# Allegro board LAY-27392_C.brd (continued)
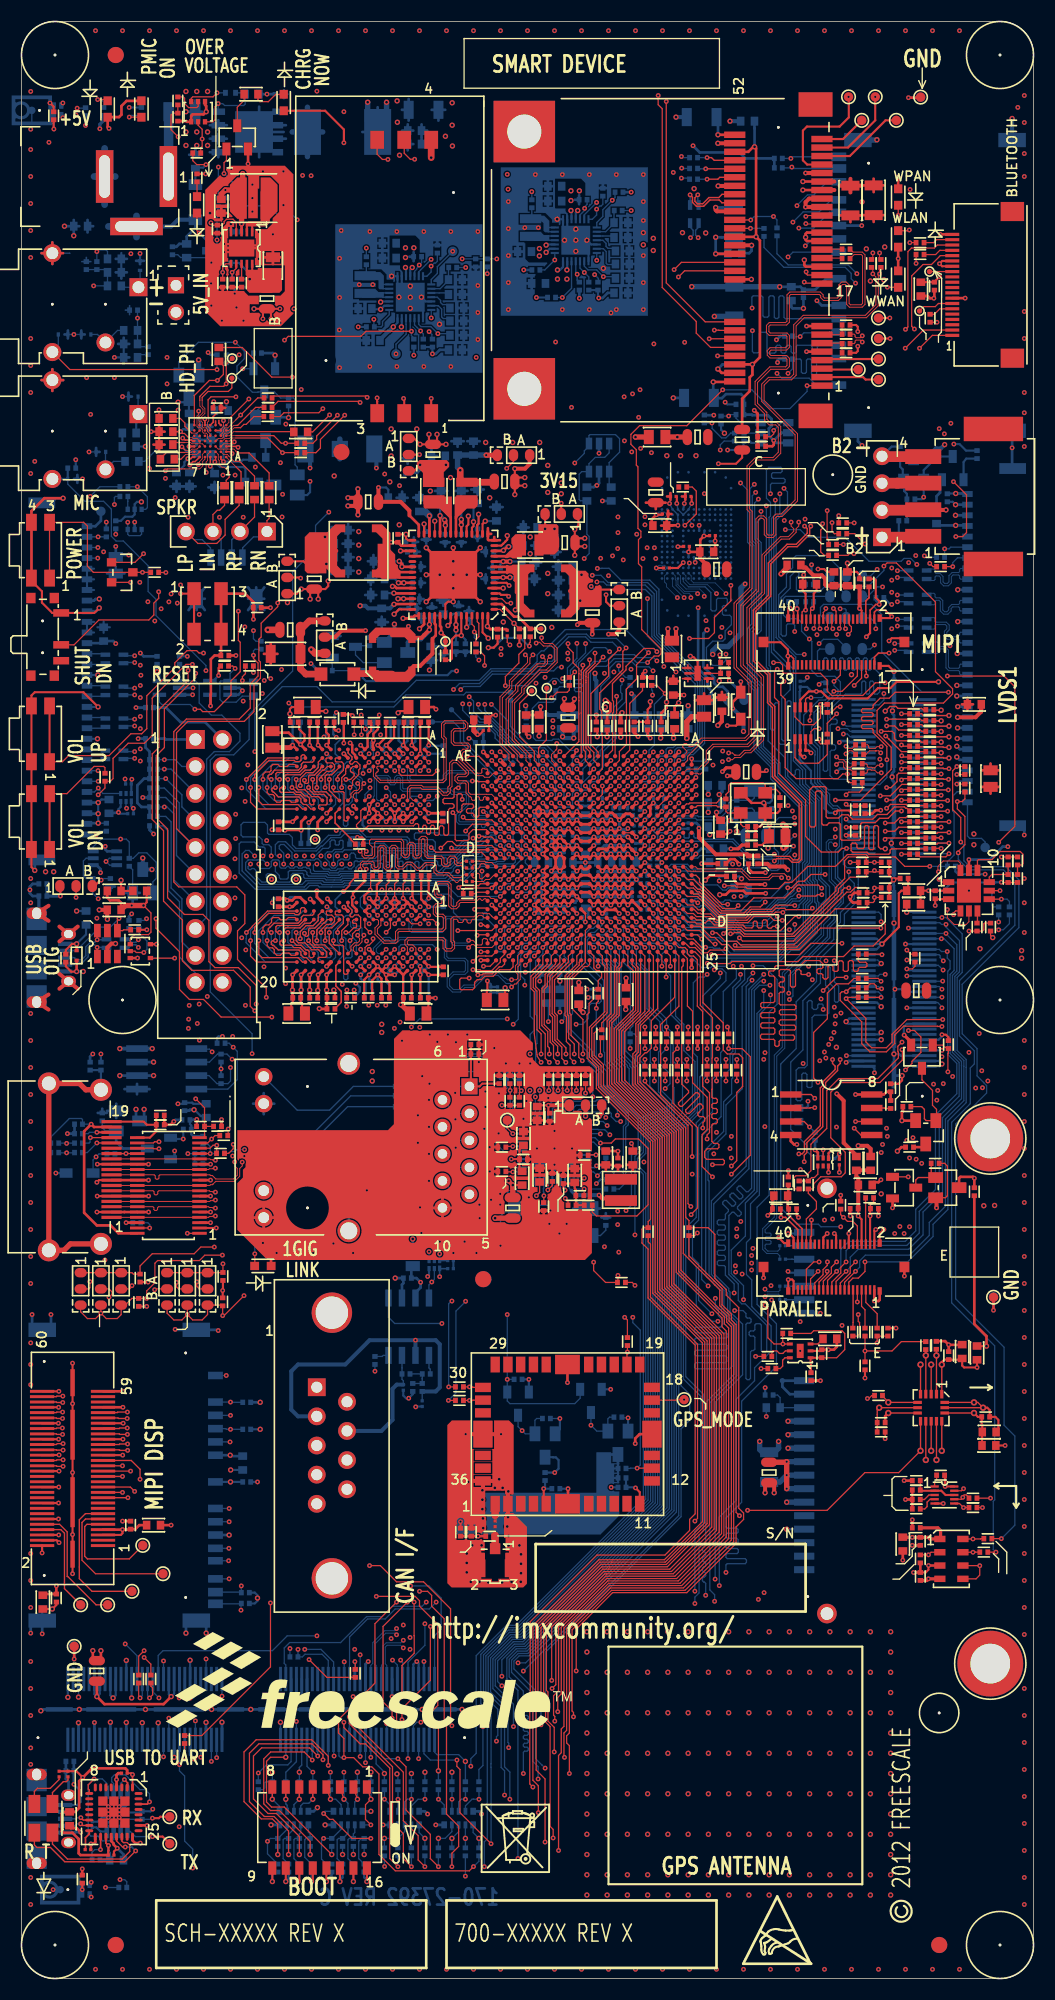
[diagram p0: board, top side]
## Placement (name value [footprint] x y rotation side) (continued)
C577  22UF  [0603_CC]  30.1 132.46 0 bottom
C578  4.7uF  [0603_CC]  47.62 131.7 0 bottom
C579  0.1UF  [0402_CC]  44.07 131.7 180 bottom
C580  4.7uF  [0603_CC]  33.53 131.7 180 bottom
C581  22UF  [0603_CC]  51.18 131.57 180 bottom
C582  0.1UF  [0402_CC]  37.21 131.32 0 bottom
C583  22UF  [0603_CC]  51.18 130.18 180 bottom
C584  4.7uF  [0603_CC]  33.53 130.18 180 bottom
C585  0.1UF  [0402_CC]  80.77 129.92 0 bottom
C586  0.47uF  [0402_CC]  37.08 129.79 0 bottom
C587  0.1UF  [0402_CC]  74.17 129.54 0 bottom
C588  0.1UF  [0402_CC]  72.57 129.54 180 bottom
C589  10uF  [0603_CC]  39.7 129.03 90 bottom
C590  0.1UF  [0402_CC]  36.83 128.91 0 bottom
C591  22UF  [0603_CC]  51.18 128.78 180 bottom
C592  1.0UF  [0402_CC]  41.15 128.78 90 bottom
C593  0.1UF  [0402_CC]  38.63 128.63 90 bottom
C594  0.22UF  [0402_CC]  42.12 128.27 90 bottom
C595  4.7uF  [0603_CC]  33.91 128.27 270 bottom
C596  0.47uF  [0402_CC]  37.26 127.98 0 bottom
C597  0.1UF  [0402_CC]  19.15 124.49 0 top
C598  4.7uF  [0603_CC]  7.75 126.49 270 bottom
C599  1.0UF  [0402_CC]  40.89 125.22 270 bottom
C600  1.0UF  [0402_CC]  41.78 125.22 270 bottom
C601  10uF  [0603_CC]  38.53 124.69 270 bottom
C602  0.22UF  [0201_CC]  73.28 121.79 90 bottom
C603  0.1UF  [0402_CC]  12.78 124.03 90 bottom
C604  22UF  [0603_CC]  48.77 118.29 90 bottom
C605  22UF  [0603_CC]  62.74 118.24 90 bottom
C606  4.7UF  [0603_CC]  61.47 118.24 90 bottom
C607  4.7UF  [0603_CC]  60.2 118.24 90 bottom
C608  4.7UF  [0603_CC]  58.93 118.24 90 bottom
C609  4.7UF  [0603_CC]  57.66 118.24 90 bottom
C610  4.7UF  [0603_CC]  55.12 118.24 90 bottom
C611  22UF  [0603_CC]  52.07 118.24 90 bottom
C612  22UF  [0603_CC]  50.8 118.24 90 bottom
C613  0.22UF  [0402_CC]  27.51 118.21 180 bottom
C614  0.22UF  [0402_CC]  25.9 118.21 180 bottom
C615  0.22UF  [0402_CC]  36.7 118.21 0 bottom
C616  0.22UF  [0402_CC]  35.13 118.21 180 bottom
C617  0.22UF  [0402_CC]  32.79 118.21 0 bottom
C618  0.22UF  [0402_CC]  29.08 118.21 0 bottom
C619  0.22UF  [0201_CC]  43.46 117.32 270 bottom
C620  0.22UF  [0402_CC]  39.7 115.62 90 bottom
C621  0.1UF  [0402_CC]  45.95 114.63 315 bottom
C622  0.22UF  [0201_CC]  10.08 112.39 180 bottom
C623  22UF  [0603_CC]  65.28 112.27 0 bottom
C624  18PF  [0402_CC]  70.61 111.63 270 bottom
C625  0.22UF  [0201_CC]  54.67 111.38 90 bottom
C626  0.22UF  [0201_CC]  59.21 110.97 10 bottom
C627  10UF  [0603_CC]  65.28 110.62 0 bottom
C628  0.22UF  [0201_CC]  60.45 110.62 90 bottom
C629  0.22UF  [0201_CC]  53.37 110.59 270 bottom
C630  0.22UF  [0201_CC]  52.76 110.59 270 bottom
C631  2.2uF  [0603_CC]  8.25 110.29 270 bottom
C632  0.22UF  [0201_CC]  49.4 110.11 285 bottom
C633  0.22UF  [0201_CC]  59.77 109.82 90 bottom
C634  0.22UF  [0201_CC]  59.21 109.82 90 bottom
C635  0.22UF  [0201_CC]  57.59 109.79 270 bottom
C636  0.22UF  [0201_CC]  57.02 109.79 270 bottom
C637  0.22UF  [0201_CC]  56.31 109.79 270 bottom
C638  0.22UF  [0201_CC]  55.68 109.79 270 bottom
C639  18PF  [0402_CC]  70.61 109.73 90 bottom
C640  0.22UF  [0201_CC]  58.15 109.66 270 bottom
C641  0.22UF  [0201_CC]  10.29 109.6 180 bottom
C642  0.22UF  [0201_CC]  60.67 109.41 70 bottom
C643  0.22UF  [0201_CC]  55.07 109.41 90 bottom
C644  0.22UF  [0201_CC]  51.87 109.41 90 bottom
C645  0.22UF  [0201_CC]  51.07 109.41 90 bottom
C646  0.22UF  [0201_CC]  50.27 109.41 90 bottom
C647  0.22UF  [0402_CC]  39.66 109.19 270 bottom
C648  0.22UF  [0201_CC]  67.31 108.84 90 bottom
C649  22UF  [0603_CC]  53.07 108.83 270 bottom
C650  0.22UF  [0201_CC]  48.67 108.61 180 bottom
C651  0.22UF  [0201_CC]  62.74 108.46 270 bottom
C652  0.22UF  [0201_CC]  57.91 108.46 0 bottom
C653  0.22UF  [0402_CC]  24.2 108.46 90 bottom
C654  22UF  [0603_CC]  65.28 108.38 0 bottom
C655  0.01UF  [0201_CC]  57.89 107.91 0 bottom
C656  0.22UF  [0201_CC]  50.27 107.84 270 bottom
C657  0.22UF  [0201_CC]  58.96 107.81 90 bottom
C658  0.22UF  [0201_CC]  56.67 107.81 90 bottom
C659  0.22UF  [0201_CC]  55.87 107.81 90 bottom
C660  0.22UF  [0201_CC]  55.07 107.81 90 bottom
C661  0.22UF  [0201_CC]  51.07 107.81 270 bottom
C662  0.22UF  [0201_CC]  48.67 107.81 180 bottom
C663  0.22UF  [0201_CC]  51.84 107.24 270 bottom
C664  0.22UF  [0201_CC]  49.66 107.01 0 bottom
C665  0.22UF  [0201_CC]  48.57 107.01 180 bottom
C666  0.22UF  [0402_CC]  26.68 106.81 0 bottom
C667  0.22UF  [0201_CC]  54.36 106.59 270 bottom
C668  0.22UF  [0201_CC]  57.78 106.55 270 bottom
C669  22UF  [0603_CC]  53.07 106.44 270 bottom
C670  0.22UF  [0201_CC]  56.67 106.36 90 bottom
C671  0.22UF  [0201_CC]  55.87 106.36 90 bottom
C672  0.22UF  [0201_CC]  55.07 106.36 90 bottom
C673  4.7UF  [0603_CC]  65.41 106.3 180 bottom
C674  0.22UF  [0201_CC]  51.07 106.21 90 bottom
C675  0.22UF  [0201_CC]  48.67 106.21 180 bottom
C676  0.22UF  [0201_CC]  50.27 106.18 90 bottom
C677  0.22UF  [0201_CC]  51.87 106.13 90 bottom
C678  0.22UF  [0201_CC]  59.49 105.28 0 bottom
C679  22UF  [0603_CC]  54.89 105.04 180 bottom
C680  22UF  [0603_CC]  57.21 105.03 0 bottom
C681  4.7UF  [0603_CC]  65.41 105.03 0 bottom
C682  22UF  [0603_CC]  51.26 105.01 0 bottom
C683  22UF  [0603_CC]  48.95 105.01 180 bottom
C684  0.22UF  [0201_CC]  59.49 104.75 0 bottom
C685  0.22UF  [0201_CC]  57.47 103.89 270 bottom
C686  0.22UF  [0201_CC]  56.67 103.89 270 bottom
C687  0.22UF  [0201_CC]  55.87 103.89 270 bottom
C688  0.22UF  [0201_CC]  55.07 103.89 270 bottom
C689  0.22UF  [0201_CC]  54.27 103.89 270 bottom
C690  0.22UF  [0201_CC]  51.87 103.81 270 bottom
C691  0.22UF  [0201_CC]  51.07 103.81 270 bottom
C692  0.22UF  [0201_CC]  50.27 103.81 270 bottom
C693  0.22UF  [0201_CC]  58.61 103.71 180 bottom
C694  22UF  [0603_CC]  53.07 103.64 90 bottom
C695  0.22UF  [0201_CC]  58.61 103.1 180 bottom
C696  0.22UF  [0201_CC]  48.67 103.01 180 bottom
C697  0.1UF  [0402_CC]  2.03 103 0 bottom
C698  0.22UF  [0201_CC]  57.47 102.8 90 bottom
C701  0.22UF  [0201_CC]  56.67 102.8 90 bottom
C702  0.22UF  [0201_CC]  55.87 102.8 90 bottom
C703  0.22UF  [0201_CC]  55.07 102.8 90 bottom
C704  0.22UF  [0201_CC]  54.27 102.8 90 bottom
C705  0.22UF  [0201_CC]  51.87 102.21 270 bottom
C706  0.22UF  [0201_CC]  51.07 102.21 270 bottom
C707  0.22UF  [0201_CC]  50.27 102.21 270 bottom
C708  0.22UF  [0201_CC]  48.67 102.21 180 bottom
C709  0.22UF  [0201_CC]  58.12 101.55 270 bottom
C710  0.22UF  [0201_CC]  57.47 101.54 270 bottom
C711  0.22UF  [0201_CC]  56.67 101.54 270 bottom
C712  0.22UF  [0201_CC]  55.87 101.54 270 bottom
C713  0.22UF  [0201_CC]  55.07 101.54 270 bottom
C714  0.22UF  [0201_CC]  54.27 101.54 270 bottom
C715  0.22UF  [0201_CC]  48.67 101.41 180 bottom
C716  22UF  [0603_CC]  53.07 101.36 270 bottom
C717  0.22UF  [0402_CC]  24.2 101.23 270 bottom
C718  0.22UF  [0402_CC]  39.7 101.22 90 bottom
C719  0.22UF  [0201_CC]  52.1 100.99 90 bottom
C720  0.22UF  [0201_CC]  51.07 100.61 270 bottom
C721  0.22UF  [0201_CC]  50.27 100.61 270 bottom
C722  0.22UF  [0201_CC]  49.47 100.61 270 bottom
C723  0.22UF  [0201_CC]  58.62 100.53 180 bottom
C724  0.22UF  [0201_CC]  55.07 100.44 90 bottom
C725  0.22UF  [0201_CC]  53.06 99.91 0 bottom
C726  1.0UF  [0402_CC]  49.78 94.87 90 bottom
C727  0.22UF  [0201_CC]  44.81 93.04 270 bottom
C728  0.22UF  [0201_CC]  44.17 93.04 270 bottom
C729  22UF  [0603_CC]  50.67 92.43 270 bottom
C730  22UF  [0603_CC]  52.45 92.33 270 bottom
C731  0.22UF  [0402_CC]  37.92 92.28 0 bottom
C732  0.22UF  [0402_CC]  36.32 92.28 0 bottom
C733  0.22UF  [0402_CC]  34.28 92.28 0 bottom
C734  0.22UF  [0402_CC]  32.65 92.28 0 bottom
C735  0.22UF  [0402_CC]  27.51 92.28 180 bottom
C736  0.22UF  [0402_CC]  25.91 92.28 180 bottom
C737  0.22UF  [0402_CC]  30.99 92.25 180 bottom
C738  0.1UF  [0402_CC]  6.48 85.85 270 bottom
C739  470PF  [0402_CC]  45.63 85.01 90 bottom
C740  470PF  [0402_CC]  46.86 84.96 90 bottom
C741  470PF  [0402_CC]  47.88 84.84 90 bottom
C742  0.1UF  [0402_CC]  15.37 82.04 90 bottom
C743  4.7uF  [0603_CC]  17.4 81.66 90 bottom
C744  0.1UF  [0402_CC]  15.49 80.8 180 bottom
C745  0.1UF  [0402_CC]  5.38 80.39 180 bottom
C746  0.22UF  [0201_CC]  76.28 77.17 0 bottom
C747  0.1UF  [0402_CC]  31.5 74.17 180 bottom
C748  22PF  [0402_CC]  54.99 71.25 90 bottom
C749  0.1UF  [0402_CC]  10.87 71.12 180 bottom
C750  22PF  [0402_CC]  45.08 69.98 270 bottom
C751  0.01UF  [0201_CC]  71.63 68.96 0 bottom
C752  0.01UF  [0201_CC]  71.63 67.69 0 bottom
C753  0.22UF  [0201_CC]  40.39 67.56 0 bottom
C754  0.22UF  [0201_CC]  40.39 66.8 0 bottom
C755  0.1UF  [0402_CC]  36.32 65.91 180 bottom
C756  0.01UF  [0201_CC]  71.63 65.15 0 bottom
C757  0.01UF  [0201_CC]  71.63 63.88 0 bottom
C758  1000PF  [0402_CC]  36.83 55.63 270 bottom
C759  56PF  [0201_CC]  35.94 55.63 270 bottom
C760  56PF  [0201_CC]  37.72 54.1 270 bottom
C761  10UF  [0603_CC]  20.83 48.51 90 bottom
C762  47uF  [1206_CC]  70.36 48.13 90 bottom
C763  0.1UF  [0402_CC]  21.21 46.74 0 bottom
C764  0.1UF  [0402_CC]  56.52 46.23 180 bottom
C765  0.1UF  [0402_CC]  50.29 46.1 0 bottom
C766  0.1UF  [0402_CC]  4.57 20.45 0 bottom
C767  0.22UF  [0201_CC]  6.68 14.51 90 bottom
C768  4.7uF  [0603_CC]  8.97 11.16 0 bottom
C769  47uF  [1206_CC]  67.08 157.78 270 bottom
CON1  CON 6 SIM CARD  [CON_SIM_CD_2P54MM]  34.67 161.85 270 top
CON2  CON_1X4  [CON_TB_4F_2P5_9X10P5]  89.15 139.45 90 top
CON3  HDR 1X4  [HDR104]  80.98 135.61 180 top
CON4  HDR 1X4  [HDR104]  23.11 136.14 270 top
CON500  SM04B-SRSS-TB  [CON_4M_1MM_SM_RA]  19.3 131.07 180 bottom
D1  LED_GREEN  [LED_0603]  8.13 175.9 270 top
D2  LED_GREEN  [LED_0603]  11.3 175.9 90 top
D3  RED  [LED_0603]  24.69 176.5 90 top
D4  BAT54CLT1  [SOT23_A]  9.5 132.31 270 top
D5  RED  [LED_0603]  16.54 166.88 270 top
D6  LED_YELLOW  [LED_0603]  82.5 167.61 270 top
D7  LED_GREEN  [LED_0603]  82.5 163.68 90 top
D8  LED_ORANGE  [LED_0603]  82.5 159.89 270 top
D9  MBR140SFT  [SOD123LF]  29.74 122.73 0 top
D10  NSR0320  [SOD323]  67.69 119.76 180 top
D11  LED_ORANGE  [LED_0603]  22.73 67.06 0 top
D12  LED_RED-GRN  [LED_DUAL_3025MM_SM]  2.09 15.09 270 top
D500  RB521CS-30  [DO_VMN2]  19.69 177.42 180 bottom
D501  ESD9L5.0ST5G  [SOD-923]  24.26 177.29 0 bottom
D502  SMLJ60S6  [DO214AB_SM]  30.23 173.74 270 bottom
D503  MMSZ5231BT1G  [SOD123]  16.38 167.13 270 bottom
D504  BAT54HT1  [SOD323]  5.49 75.79 270 bottom
F500  5A/32V  [FUSE_3P4X1P8]  15.11 175.64 0 bottom
J1  CON 2X26 MINI PCI EXPRESS  [CON_2X26_0P8_SMT_A]  71.22 161.67 270 top
J2  Audio Jack  [CON5_AUD_JACK_RA_TH_SJ-43514]  11.02 159.13 0 top
J4  Audio Jack  [CON5_AUD_JACK_RA_TH_SJ-43514]  11.02 147.19 0 top
J5  CONN  PLUG 40  [CON_BBC_40P_0P4_SM]  76.45 125.76 270 top
J6  HDR_2X10  [HDR_20M_100_TH]  16.38 116.59 0 top
J7  V890-1AX1-A1  [CON_RJ45_2X5_TH]  42.16 83.95 270 top
J8  10029449-001RLF  [CON_HDMI_19F_20_SM_RA]  3.57 76.38 270 top
J9  CONN  PLUG 40  [CON_BBC_40P_0P4_SM]  76.45 66.95 270 top
J10  DB9  [CON_DB_9F_2P74_TH]  27.8 55.65 180 top
J11  QSH-030-01-L-D-A-K-TR  [CON_60S_QSH_SM_A]  4.83 48.01 90 top
J12  128-0711-20  [CON3_VER_SMT]  44.58 38.93 90 top
J13  CON FPC/FFC 20  [CON20_FH28_SM]  91.19 159.35 90 top
J500  CONN CRD 19  [CON19_SDCARD_28X16_SM]  85.96 159.3 270 bottom
J501  HDR 1X2 TH  [HDR102]  14.55 159.31 180 bottom
J502  CON 30  [CON_DF_30F_1MM_SM_RA]  91.51 125.27 270 bottom
J503  CON 30  [CON_DF_30F_1MM_SM_RA]  3.68 122.05 90 bottom
J504  QSH-060-01-L-D-A  [CON_120S_QSH_SM_05PITCH]  82.1 103.09 90 bottom
J505  MICRO USB AB 5  [CON5_MICROUSB]  1.45 96.06 90 bottom
J506  10029364-001LF  [CON_SATA_22F_50_SM_RA_A]  78.99 54.36 90 bottom
J507  CONN CRD 19  [CON19_SDCARD_28X16_SM]  9.22 47.37 90 bottom
J508  QSH-060-01-L-D-A  [CON_120S_QSH_SM_05PITCH]  21.63 25.34 0 bottom
J509  MICRO USB AB 5  [CON5_MICROUSB]  1.45 15.04 90 bottom
L1  1.2uH  [IND_VLCF4018]  21.87 167.51 0 top
L2  1UH  [IND_VLS252010]  38.82 139.96 90 top
L3  1UH  [IND_VLS252010]  41.92 139.96 90 top
L4  100 OHM@100MHZ  [0603_CC]  19.13 139.8 270 top
L5  100 OHM@100MHZ  [0603_CC]  20.5 139.8 270 top
L6  100 OHM@100MHZ  [0603_CC]  21.95 139.8 270 top
L7  100 OHM@100MHZ  [0603_CC]  23.32 139.8 270 top
L8  1UH  [IND_VLS252010]  47.88 134.87 0 top
L9  1uH  [IND_5015]  31.73 134.33 180 top
L10  120OHM  [0603_CC]  76.45 131.7 90 top
L11  1uH  [IND_5015]  49.53 130.56 0 top
L12  2.2uH  [IND_LPS4018]  34.9 124.56 90 top
L13  120OHM  [0603_CC]  61.47 118.24 270 top
L14  120OHM  [0603_CC]  83.95 102.36 0 top
L15  470OHM  [0603_CC]  8.74 100.56 180 top
L16  120OHM  [0603_CC]  57.53 77.22 90 top
L17  120OHM  [0603_CC]  79.91 76.71 90 top
L18  120OHM  [0603_CC]  47.12 75.31 90 top
L19  4.7UH  [IND_VLS3012_SM]  56.41 74.21 90 top
L20  120OHM  [0603_CC]  89.92 58.88 270 top
L21  120OHM  [0603_CC]  91.03 50.16 180 top
L22  1000 OHM  [0402_CC]  41.33 42.01 270 top
L23  39nH  [0402_CC]  44.07 41.63 0 top
L24  120OHM  [0603_CC]  4.54 15.05 270 top
L25  120OHM  [0603_CC]  72.69 132.99 180 top
L26  120OHM  [0603_CC]  78.56 76.71 90 top
L500  90OHM  [IND4_CHOKE_0805]  63.32 166.01 90 bottom
L501  120OHM  [0603_CC]  5.59 164.87 180 bottom
L502  1UH  [IND_VLS252010]  47.91 164.74 270 bottom
L503  1UH  [IND_VLS252010]  32.34 159.38 270 bottom
L504  100 OHM@100MHZ  [0603_CC]  8.76 159.26 0 bottom
L505  100 OHM@100MHZ  [0603_CC]  10.29 155.07 180 bottom
L506  120OHM  [0603_CC]  15.8 146.61 270 bottom
L507  100 OHM@100MHZ  [0603_CC]  10.16 145.42 0 bottom
L508  120OHM  [0603_CC]  22.35 143.13 180 bottom
L509  100 OHM@100MHZ  [0603_CC]  10.41 142.75 180 bottom
L510  120OHM  [0603_CC]  21.74 140.79 180 bottom
L511  90OHM  [IND4_CHOKE_0805]  84.33 132.08 0 bottom
L512  90OHM  [IND4_CHOKE_0805]  84.33 129.79 0 bottom
L513  90OHM  [IND4_CHOKE_0805]  84.33 127.51 0 bottom
L514  90OHM  [IND4_CHOKE_0805]  84.33 125.22 0 bottom
L515  90OHM  [IND4_CHOKE_0805]  8.76 124.16 180 bottom
L516  90OHM  [IND4_CHOKE_0805]  8.76 121.16 180 bottom
L517  90OHM  [IND4_CHOKE_0805]  8.76 118.16 180 bottom
L518  90OHM  [IND4_CHOKE_0805]  8.76 115.14 180 bottom
L519  470OHM  [0603_CC]  6.1 99.8 270 bottom
L520  90OHM  [IND4_CHOKE_0805]  8.86 97.38 180 bottom
NOREF  -  []  7.88 145.55 0 top
NOREF#2  -  []  99.06 92.08 90 top
NOREF#3  -  []  82.65 6.48 90 top
NOREF#4  -  []  99.06 180.98 90 top
NOREF#5  -  []  48.39 34.54 0 top
NOREF#6  -  []  13.59 24.21 0 top
NOREF#7  -  []  99.06 92.08 90 top
NOREF#8  -  []  0 185.42 0 top
NOREF#9  -  [unnamed#2]  8.89 180.98 0 top
NOREF#10  -  []  12.7 1.02 0 top
NOREF#11  -  []  49.07 39.7 0 top
NOREF#12  -  [unnamed#2]  43.46 65.81 0 top
NOREF#13  -  []  96.52 0 90 top
NOREF#14  -  []  43.31 10.03 0 top
NOREF#15  -  [unnamed#2]  30.12 143.63 0 top
NOREF#16  -  [unnamed#3]  92.08 92.08 0 top
NOREF#17  -  []  4.69 0.06 0 top
NOREF#18  -  []  0.04 2.69 0 top
NOREF#19  -  []  99.06 180.98 90 top
NOREF#20  -  [unnamed#2]  3.17 3.17 0 top
NOREF#21  -  [unnamed#2]  8.89 3.17 0 top
NOREF#22  -  []  -309.88 -258.44 0 top
NOREF#23  -  [unnamed#3]  92.08 180.98 0 top
NOREF#24  -  [unnamed#4]  86.35 25.01 0 top
NOREF#25  -  []  4.22 3.75 0 top
NOREF#26  -  []  308.61 203.2 0 top
NOREF#27  -  []  74.93 -34.29 0 top
NOREF#28  -  []  317.5 -63.5 0 top
NOREF#29  -  [unnamed#4]  76.34 141.49 0 top
NOREF#30  -  [unnamed#3]  92.08 3.17 0 top
NOREF#31  -  []  -283.84 266.7 0 top
NOREF#32  -  [unnamed#3]  9.52 92.08 0 top
NOREF#33  -  []  67.94 1.41 0 top
NOREF#34  -  [unnamed#2]  86.36 3.17 0 top
NOREF#35  -  []  3.17 3.17 0 top
NOREF#36  -  []  40 1.02 0 top
NOREF#37  -  []  101.6 0 90 top
NOREF#38  -  []  3.17 3.17 0 top
NOREF#39  -  []  -13.54 -230.64 0 top
NOREF#40  -  []  70.56 181.64 0 top
NOREF#41  -  [unnamed#3]  3.17 180.98 0 top
NOREF#42  -  [unnamed#2]  8.89 3.17 180 bottom
NOREF#43  -  []  76.48 177.6 180 bottom
NOREF#44  -  [unnamed#2]  8.89 180.98 180 bottom
NOREF#45  -  [unnamed#2]  43.48 65.81 180 bottom
NOREF#46  -  [unnamed#2]  86.36 3.17 180 bottom
P1  CONN PWR 1  [PJ-202B]  13.84 169.55 180 top
Q1  MBT3906DW1T1  [SOT363]  16.64 175.64 0 top
Q2  2N7002  [SOT23]  84.73 86.74 180 top
Q3  IRLML6401  [SOT-23]  85.09 79.63 180 top
Q4  2N7002  [SOT23]  83.06 74.42 270 top
Q5  IRLML6401  [SOT-23]  87.12 74.42 270 top
Q6  FDMS6681Z  [SO8_PAK]  21.21 173.74 0 bottom
Q501  MMBT3904LT1G  [SOT23]  20.32 173.23 0 top
Q503  NTS4001NT1G  [SC70_3]  16.51 162.56 90 bottom
Q504  2N7002  [SOT23]  22.86 150.37 0 bottom
Q505  IRLML6401  [SOT-23]  15.77 149.76 0 bottom
Q506  IRLML6401  [SOT-23]  22.99 145.8 0 bottom
Q507  2N7002  [SOT23]  87.63 142.11 180 bottom
Q508  IRLML6401  [SOT-23]  83.95 141.99 180 bottom
Q509  IRLML6401  [SOT-23]  24.87 140.53 270 bottom
Q510  2N7002  [SOT23]  30.35 125.3 90 bottom
Q511  IRLML6401  [SOT-23]  35.26 124.76 90 bottom
Q512  BSS138DW-7  [SC70-6]  7.87 105.41 270 bottom
Q513  IRLML6401  [SOT-23]  11.43 103.25 180 bottom
Q514  IRLML6401  [SOT-23]  10.03 80.7 90 bottom
Q515  2N7002  [SOT23]  12.95 78.11 270 bottom
Q516  2N7002  [SOT23]  53.59 54.36 0 bottom
Q517  2N7002  [SOT23]  46.74 54.1 0 bottom
Q518  IRLML6401  [SOT-23]  56.13 50.42 0 bottom
Q519  IRLML6401  [SOT-23]  49.28 50.16 0 bottom
QZ500  32.768KHZ  [XTAL2-3P2X1P5-SM]  68.96 110.49 270 bottom
R1  10.0K  [0402_CC]  14.73 176.66 90 top
R2  10.0K  [0402_CC]  14.73 175.13 90 top
R3  10.0K  [0402_CC]  16.51 171.75 0 top
R4  0  [0402_CC]  20.73 159.51 270 top
R5  0  [0402_CC]  18.95 159.51 270 top
R6  49.9  [0402_CC]  77.6 155.58 0 top
R7  4.7K  [0402_CC]  18.44 164.59 270 top
R8  49.9  [0402_CC]  77.6 152.96 0 top
R10  22  [0603_CC]  18.59 152.81 270 top
R11  0  [0402_CC]  23.22 148.72 180 top
R12  0  [0402_CC]  23.22 147.83 180 top
R13  0  [0402_CC]  23.19 146.96 180 top
R14  22  [0603_CC]  26.29 145.52 180 top
R15  1.0K  [0402_CC]  69.65 145.06 180 top
R16  0  [0402_CC]  26.29 144.45 180 top
R17  0.02  [0805_CC]  59.82 145.03 0 top
R18  0  [0402_CC]  26.29 143.56 180 top
R19  100K  [0402_CC]  19.13 123.49 0 top
R20  10.0K  [0402_CC]  62.23 140.34 0 top
R21  0.02  [RC0805_OV]  51.13 135.1 0 top
R22  0  [0402_CC]  12.55 132.31 180 top
R23  0  [0402_CC]  86.49 132.84 0 top
R25  0.02  [RC0805_OV]  27.56 131.7 270 top
R26  4.7K  [0402_CC]  79.76 131.32 270 top
R27  0.02  [RC0805_OV]  53.72 128.52 270 top
R28  68K  [0402_CC]  46.86 126.62 90 top
R29  68K  [0402_CC]  47.88 126.62 90 top
R30  1K  [0201_CC]  45.72 126.6 270 top
R31  10.0K  [0402_CC]  44.81 126.59 90 top
R32  0  [0805_CC]  61.21 125.09 270 top
R33  10.0K  [0402_CC]  39.9 124.46 90 top
R34  47K  [0402_CC]  66.17 123.83 180 top
R35  309K  [0402_CC]  66.17 122.81 180 top
R36  0  [0402_CC]  51.56 122.05 90 top
R37  1.6K  [0402_CC]  58.45 122.05 90 top
R38  6.04K  [0402_CC]  59.31 122.05 90 top
R39  0  [0402_CC]  75.82 119.51 90 top
R40  33  [0402_CC]  85.47 119.38 0 top
R41  33  [0402_CC]  83.95 119 0 top
R42  33  [0402_CC]  85.47 118.36 0 top
R43  200  [0402_CC]  31.65 118.21 180 top
R44  33  [0402_CC]  83.95 117.98 0 top
R45  0  [0402_CC]  54.1 117.86 270 top
R46  0  [0402_CC]  55.12 117.86 270 top
R47  0  [0402_CC]  56.39 117.86 270 top
R48  0  [0402_CC]  57.66 117.86 270 top
R49  0  [0402_CC]  58.93 117.86 270 top
R50  0  [0402_CC]  60.2 117.86 270 top
R51  33  [0402_CC]  85.47 117.35 0 top
R52  33  [0402_CC]  83.95 116.97 0 top
R53  0  [0402_CC]  75.82 116.71 270 top
R54  33  [0402_CC]  85.47 116.33 0 top
R55  0  [0402_CC]  78.87 116.08 180 top
R56  33  [0402_CC]  83.95 115.95 0 top
R57  33  [0402_CC]  85.47 115.44 0 top
R58  0  [0402_CC]  78.87 115.19 180 top
R59  33  [0402_CC]  83.95 114.94 0 top
R60  33  [0402_CC]  85.47 114.43 0 top
R61  0  [0402_CC]  78.74 114.3 180 top
R62  33  [0402_CC]  83.95 113.92 0 top
R63  0  [0402_CC]  88.77 113.66 270 top
R64  0  [0402_CC]  78.74 113.41 180 top
R65  33  [0402_CC]  85.47 113.41 0 top
R66  0  [0402_CC]  7.87 113.03 90 top
R67  33  [0402_CC]  83.95 112.9 0 top
R68  0.02  [0805_CC]  91.19 112.9 90 top
R69  0  [0402_CC]  78.74 112.52 0 top
R70  33  [0402_CC]  85.47 112.39 0 top
R71  0  [0402_CC]  88.77 112.01 90 top
R72  33  [0402_CC]  83.95 111.89 0 top
R73  33  [0402_CC]  85.47 111.38 0 top
R74  33  [0402_CC]  83.95 110.87 0 top
R75  10M  [0402_CC]  66.29 110.62 90 top
R76  33  [0402_CC]  85.47 110.36 0 top
R77  10.0K  [0402_CC]  78.49 109.98 90 top
R78  10.0K  [0402_CC]  79.38 109.98 270 top
R79  33  [0402_CC]  83.95 109.86 0 top
R80  33  [0402_CC]  85.47 109.35 0 top
R81  33  [0402_CC]  83.95 108.84 0 top
R82  33  [0402_CC]  85.47 108.33 0 top
R83  0  [0402_CC]  78.49 107.95 270 top
R84  33  [0402_CC]  83.95 107.82 0 top
R85  0.02  [0805_CC]  71.12 107.47 180 top
R86  33  [0402_CC]  85.47 107.31 0 top
R87  0  [0402_CC]  68.71 106.65 180 top
R88  33  [0402_CC]  83.95 106.81 0 top
R89  240  [0402_CC]  31.8 106.74 0 top
R90  33  [0402_CC]  85.47 106.3 0 top
R91  33  [0402_CC]  83.95 105.79 0 top
R92  100K  [0402_CC]  92.84 105.16 90 top
R93  100K  [0402_CC]  93.73 105.16 90 top
R94  10.0K  [0402_CC]  79.12 105.03 0 top
R95  4.7K  [0402_CC]  81.28 105.03 0 top
R96  0  [0402_CC]  65.91 104.9 180 top
R97  0  [0402_CC]  79.12 104.14 0 top
R98  10.0K  [0402_CC]  81.28 104.14 0 top
R99  240  [0402_CC]  31.9 103.75 0 top
R101  0  [0402_CC]  92.84 103.5 90 top
R102  0  [0402_CC]  93.73 103.5 90 top
R103  0  [R603-X2]  4.39 102.79 0 top
R104  0  [0402_CC]  66.73 103.7 180 top
R105  10.0K  [0402_CC]  81.28 102.62 0 top
R106  0  [0402_CC]  79.2 102.16 0 top
R107  240  [0402_CC]  41.96 102.08 180 top
R108  10.0K  [0402_CC]  81.28 101.73 0 top
R109  0  [0402_CC]  79.2 101.24 0 top
R110  0  [0402_CC]  89.92 98.93 90 top
R111  100K  [0402_CC]  91.19 98.93 90 top
R112  100K  [0402_CC]  10.67 98.68 180 top
R113  33  [0402_CC]  79.12 96.39 0 top
R114  0  [0402_CC]  84.07 96.01 90 top
R115  0  [0402_CC]  79.12 94.11 0 top
R116  0  [0402_CC]  79.12 93.22 0 top
R117  0  [0402_CC]  79.12 92.33 0 top
R118  200  [0402_CC]  30.99 92.28 180 top
R119  240  [0402_CC]  29.13 91.24 180 top
R120  0  [0402_CC]  54.61 88.9 90 top
R121  0  [0402_CC]  58.67 88.52 90 top
R122  0  [0402_CC]  59.69 88.52 90 top
R123  0  [0402_CC]  60.71 88.52 90 top
R124  0  [0402_CC]  61.72 88.52 90 top
R125  0  [0402_CC]  62.74 88.52 90 top
R126  0  [0402_CC]  63.63 88.52 90 top
R127  0  [0402_CC]  64.52 88.52 90 top
R128  0  [0402_CC]  65.53 88.52 90 top
R129  0  [0402_CC]  66.55 88.52 90 top
R130  10.0K  [0402_CC]  87.22 87.88 90 top
R131  0  [0402_CC]  58.67 85.47 90 top
R132  0  [0402_CC]  59.56 85.47 90 top
R133  0  [0402_CC]  60.58 85.47 90 top
R134  0  [0402_CC]  61.72 85.47 90 top
R135  0  [0402_CC]  62.61 85.47 90 top
R136  0  [0402_CC]  64.52 85.47 90 top
R137  0  [0402_CC]  65.41 85.47 90 top
R138  0  [0402_CC]  66.29 85.47 90 top
R139  0  [0402_CC]  67.31 85.47 90 top
R140  10.0K  [0402_CC]  45.97 84.58 90 top
R141  10.0K  [0402_CC]  46.86 84.58 90 top
R142  10.0K  [0402_CC]  49.63 84.58 90 top
R143  10.0K  [0402_CC]  50.5 84.58 90 top
R144  10.0K  [0402_CC]  51.36 84.58 90 top
R145  10.0K  [0402_CC]  52.22 84.58 90 top
R146  10.0K  [0402_CC]  53.09 84.58 90 top
R147  10.0K  [0402_CC]  45.97 82.55 90 top
R148  10.0K  [0402_CC]  46.86 82.55 90 top
R149  10.0K  [0402_CC]  81.79 82.25 270 top
R150  10.0K  [0402_CC]  83.31 82.04 0 top
R151  15K  [0402_CC]  13.08 81.23 0 top
R152  47K  [0402_CC]  16.87 80.19 0 top
R153  0  [0402_CC]  19.05 79.32 180 top
R154  0  [0402_CC]  18.75 77.65 180 top
R155  0  [0402_CC]  83.57 78.23 0 top
R156  10.0K  [0402_CC]  85.98 76.71 180 top
R157  0  [0402_CC]  72.16 75.06 270 top
R158  33  [0402_CC]  73.18 74.68 90 top
R159  33  [0402_CC]  74.04 74.68 90 top
R160  0  [0402_CC]  89.66 74.04 90 top
R161  10.0K  [0402_CC]  52.55 73.68 0 top
R162  4.7K  [0402_CC]  79.81 73.46 180 top
R163  10.0K  [0402_CC]  51.82 72.77 180 top
R164  10.0K  [0402_CC]  53.34 72.77 0 top
R165  0  [0402_CC]  77.09 72.77 270 top
R166  2.37K  [0402_CC]  49.15 72.64 270 top
R167  0  [0402_CC]  58.98 70.28 90 top
R168  0  [0402_CC]  62.81 70.28 90 top
R169  4.7K  [0402_CC]  18.97 66.07 90 top
R170  4.7K  [0402_CC]  11.18 65.91 90 top
R171  0  [0402_CC]  56.46 65.51 180 top
R172  0  [R603-X2]  5.59 65.66 270 top
R173  0  [R603-X2]  7.49 65.66 270 top
R174  0  [R603-X2]  9.4 65.66 270 top
R175  0  [R603-X2]  13.72 65.66 270 top
R176  0  [R603-X2]  15.62 65.66 270 top
R177  0  [R603-X2]  17.53 65.66 270 top
R178  4.7K  [0402_CC]  18.95 63.68 90 top
R179  4.7K  [0402_CC]  11.05 63.63 270 top
R180  0  [0402_CC]  78.23 60.83 90 top
R181  0  [0402_CC]  79.38 60.83 90 top
R182  0  [0402_CC]  80.52 60.83 90 top
R183  2.37K  [0402_CC]  81.53 60.83 270 top
R184  10.0K  [0402_CC]  72.01 60.71 180 top
R185  499.0K  [0603_CC]  76.07 60.2 0 top
R186  0  [0402_CC]  57.02 59.94 90 top
R187  0  [0402_CC]  85.09 59.56 270 top
R188  0  [0402_CC]  70.23 58.55 0 top
R189  2.37K  [0402_CC]  79.38 57.66 90 top
R190  0  [0402_CC]  70.61 57.4 0 top
R191  0  [0402_CC]  74.3 56.64 90 top
R192  0  [0402_CC]  41.22 55.68 0 top
R193  0  [0402_CC]  80.64 54.86 0 top
R194  0  [0402_CC]  41.22 54.41 0 top
R195  10.0K  [0402_CC]  80.9 52.32 0 top
R196  10.0K  [0402_CC]  80.9 51.43 180 top
R197  0  [0402_CC]  84.2 46.86 0 top
R198  0  [0402_CC]  89.53 45.21 180 top
R199  0  [0402_CC]  84.2 45.08 180 top
R200  0  [0402_CC]  89.53 44.32 180 top
R201  0  [0402_CC]  84.2 42.42 0 top
R202  0  [0402_CC]  90.93 41.4 180 top
R203  0  [0402_CC]  90.55 40.13 180 top
R204  0  [0402_CC]  12.19 28.19 270 top
R205  0  [0402_CC]  11.05 28.19 270 top
R206  1K  [0201_CC]  3.56 19.26 270 top
R207  1K  [0201_CC]  4.4 19.26 270 top
R208  0  [0805_CC]  64.24 119.5 270 top
R209  0  [0402_CC]  85.5 156.21 90 top
R210  0  [0402_CC]  84.56 162.2 0 top
R211  0  [0402_CC]  84.56 163.32 0 top
R212  0  [0402_CC]  76.33 133.91 180 top
R213  0  [0402_CC]  76.33 134.92 180 top
R214  0  [0402_CC]  77.28 135.94 180 top
R215  0  [0402_CC]  77.28 136.96 180 top
R216  2.2M  [0402_CC]  68.71 107.52 0 top
R217  0  [0402_CC]  54.28 92.71 90 top
R218  0  [0402_CC]  31.42 28.73 90 top
R219  0  [0402_CC]  15.37 22.5 270 top
R300  0  [0402_CC]  21.46 123.49 180 top
R301  0  [0402_CC]  68.43 105.26 90 top
R302  0  [0402_CC]  69.29 105.26 90 top
R303  1.8K  [0402_CC]  16.54 169.42 270 top
R304  10.0K  [0402_CC]  22.2 128.98 180 top
R305  470  [0603_CC]  21.62 177.29 180 top
R306  0  [0402_CC]  42.77 125.2 90 top
R500  470K  [0603_CC]  21.72 177.29 0 bottom
R501  820  [0402_CC]  7.75 175.67 90 bottom
R502  10.0K  [0402_CC]  71.22 171.25 0 bottom
R503  10.0K  [0402_CC]  71.22 170.36 0 bottom
R504  330  [0402_CC]  63.25 171.32 0 bottom
R505  2.7K  [0603_CC]  16.38 170.94 270 bottom
R506  330  [0402_CC]  63.25 170.31 0 bottom
R507  270  [0402_CC]  11.3 175.67 270 bottom
R509  330  [0402_CC]  63.25 169.29 0 bottom
R512  10.0K  [0402_CC]  56.24 168.07 180 bottom
R513  0  [0402_CC]  54.71 168.07 90 bottom
R514  0  [0402_CC]  39.14 162.71 90 bottom
R515  10.0K  [0402_CC]  52.86 167.36 0 bottom
R516  10.0K  [0402_CC]  37.29 162 0 bottom
R517  0  [0402_CC]  71.09 164.34 90 bottom
R518  10.0K  [0402_CC]  56.16 166.34 0 bottom
R519  10.0K  [0402_CC]  40.59 160.99 0 bottom
R520  100K  [0402_CC]  18.49 167.13 90 bottom
R521  0  [0402_CC]  69.88 164.29 90 bottom
R523  1.0K  [0402_CC]  19.46 167.16 90 bottom
R524  100K  [0402_CC]  14.22 162.56 90 bottom
R525  20  [0603_CC]  8.76 161.8 0 bottom
R526  10.0K  [0402_CC]  6.12 161.16 90 bottom
R527  3.0K  [0603_CC]  56.55 162.53 0 bottom
R528  3.0K  [0603_CC]  40.98 157.18 0 bottom
R529  200K  [0603_CC]  8.76 160.53 0 bottom
R530  604  [0603_CC]  56.55 161.32 0 bottom
R531  604  [0603_CC]  40.98 155.96 0 bottom
R532  10.0K  [0402_CC]  48.41 160.76 0 bottom
R533  10.0K  [0402_CC]  32.84 155.4 0 bottom
R534  10.0K  [0402_CC]  54.25 159.23 90 bottom
R535  0  [0402_CC]  53.39 159.23 90 bottom
R536  10.0K  [0402_CC]  52.5 159.23 90 bottom
R537  10.0K  [0402_CC]  38.68 153.87 90 bottom
R538  0  [0402_CC]  37.82 153.87 90 bottom
R539  10.0K  [0402_CC]  36.93 153.87 90 bottom
R540  100  [0402_CC]  20.22 159.89 180 bottom
R541  10.0K  [0402_CC]  10.57 156.97 180 bottom
R542  10.0K  [0402_CC]  49.89 158.17 0 bottom
R543  0  [0402_CC]  19.33 161.42 180 bottom
R544  10.0K  [0402_CC]  72.19 154.53 0 bottom
R545  200K  [0603_CC]  10.29 153.8 180 bottom
R549  10.0K  [0402_CC]  72.19 152.37 180 bottom
R550  0  [0402_CC]  42.77 125.2 90 bottom
R552  20  [0603_CC]  10.29 152.53 180 bottom
R553  0  [0402_CC]  19.3 152.4 90 bottom
R554  10.0K  [0402_CC]  18.41 152.4 270 bottom
R557  10.0K  [0402_CC]  25.15 148.34 90 bottom
R559  10.0K  [0402_CC]  64.26 146.74 90 bottom
R560  0  [0402_CC]  67.61 148.11 0 bottom
R562  100K  [0402_CC]  68 145.03 90 bottom
R563  0  [0402_CC]  67.11 145.03 90 bottom
R564  2.20K  [0603_CC]  10.16 144.15 0 bottom
R565  10.0K  [0402_CC]  82.68 143.76 270 bottom
R566  0  [0402_CC]  89.92 143.38 270 bottom
R567  100K  [0402_CC]  65.84 146.63 90 bottom
R568  10.0K  [0402_CC]  4.75 142.11 180 bottom
R569  0  [0402_CC]  9.65 140.36 0 bottom
R571  200K  [0603_CC]  55.5 139.67 270 bottom
R572  200K  [0603_CC]  53.21 139.67 90 bottom
R573  0  [0402_CC]  9.65 139.45 0 bottom
R574  10.0K  [0402_CC]  87.12 139.32 90 bottom
R575  10.0K  [0402_CC]  83.69 139.19 0 bottom
R576  16.2K  [0402_CC]  82.93 138.18 180 bottom
R577  10.0K  [0402_CC]  82.93 137.16 0 bottom
R579  10.0K  [0402_CC]  8 136.02 270 bottom
R580  0  [0402_CC]  86.49 133.73 0 bottom
R582  0.02  [0805_CC]  8.89 132.97 270 bottom
R583  0  [R603-X2]  78.36 131.95 180 bottom
R584  0  [R603-X2]  78.36 130.05 180 bottom
R586  0  [R603-X2]  78.36 128.02 180 bottom
R588  0  [0402_CC]  22.56 125.45 90 bottom
